# Altium PCB ASI_CAN_Conv.PcbDoc (continued)
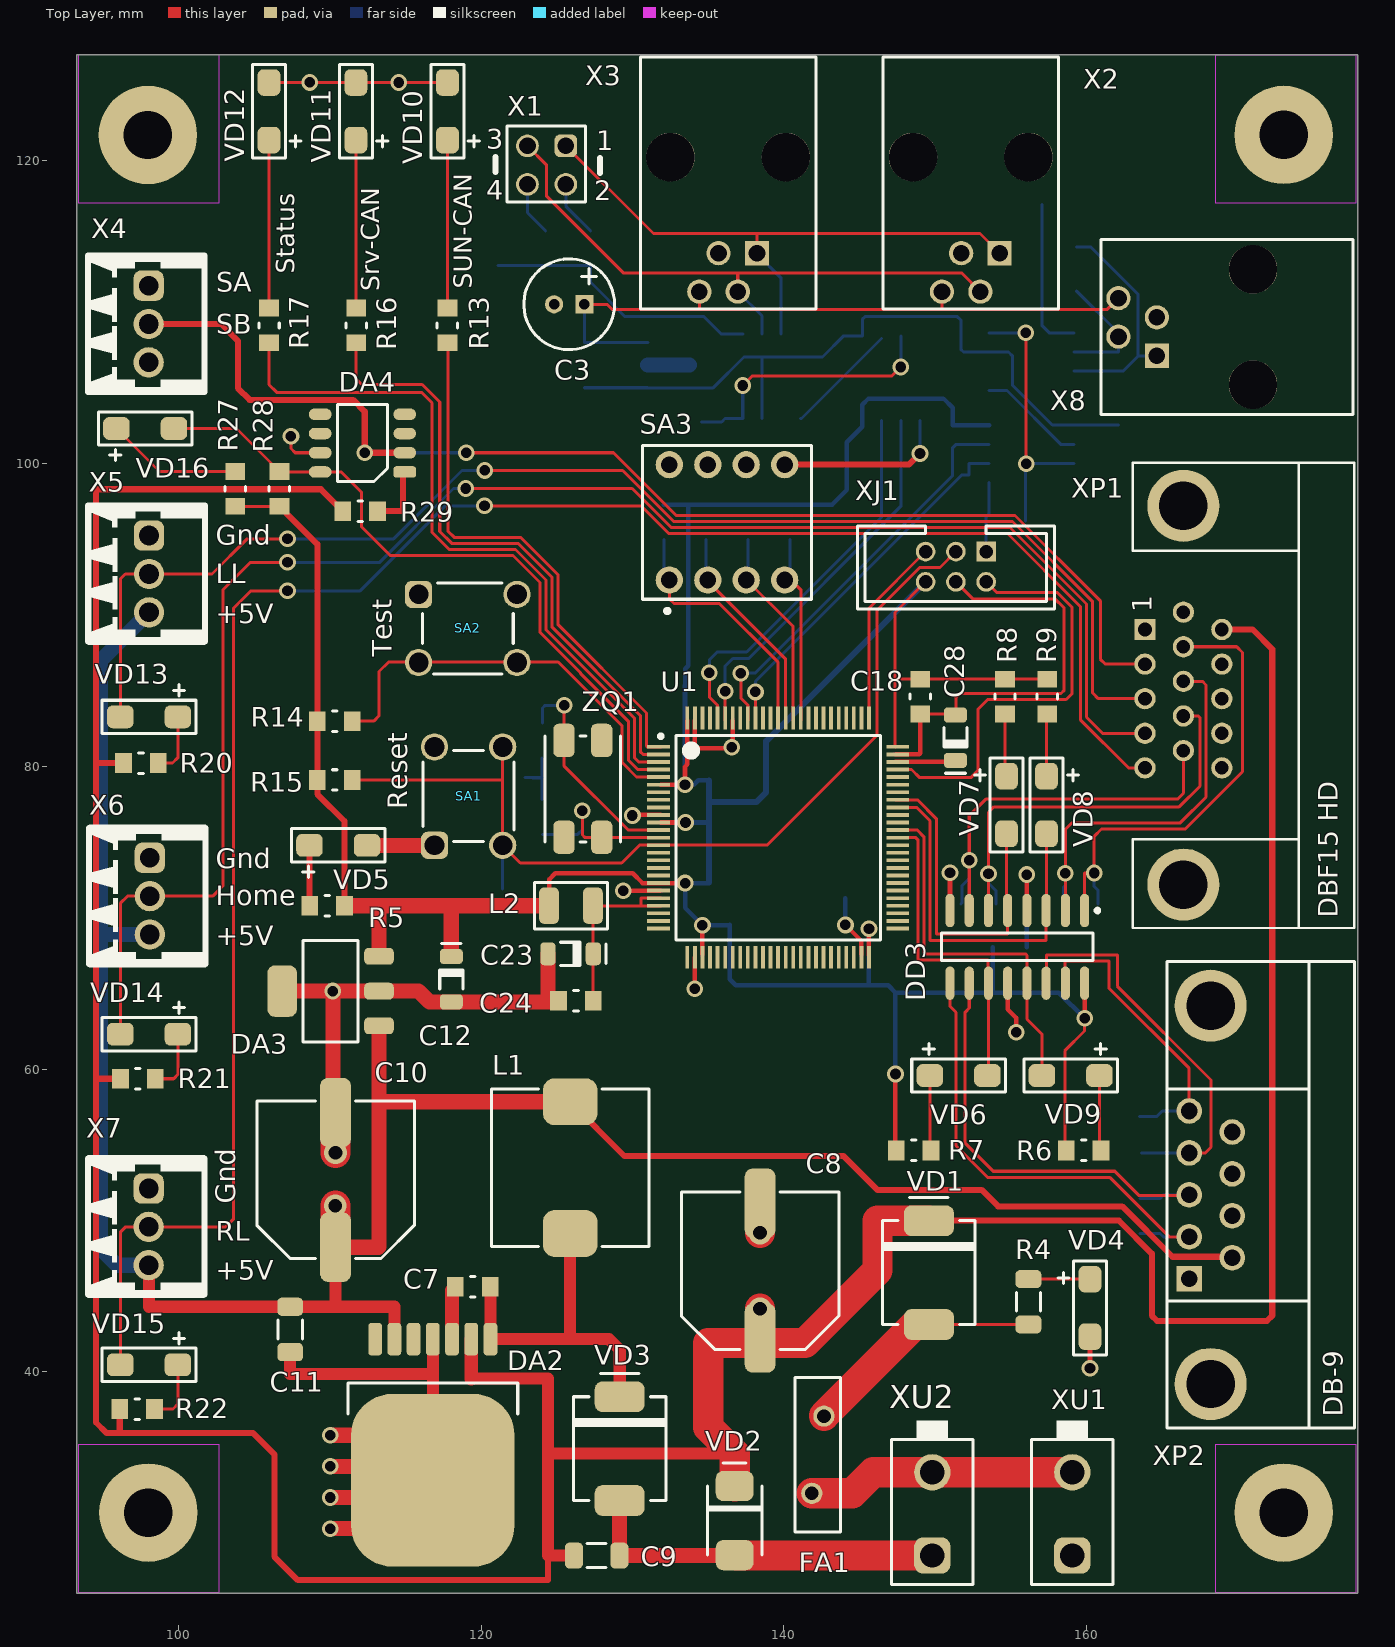
[diagram p0: Top Layer view]
## Footprints (in the part's own frame and the unit in brackets; to place one, negate y for a bottom-side part, rotate by r counter-clockwise, add the part's x,y. Pads: shape width x height; smd on the part's side, far side on the other; paste and mask are expansions set on the pad) (continued)
SMC [mil]
  rrect50% 80x130 smd: 1(-135,0) 2(135,0)
  silkscreen extent -195,-120 135,120, body extent -157,-116 156,116, height 91
SO16_N [mm] "SOIC, 16-Leads, Body 9.9x3.9mm, Pitch 1.27mm, IPC Medium Density"
  oval 2.2x0.6 smd: 1(-2.4,4.445) 2(-2.4,3.175) 3(-2.4,1.905) 4(-2.4,0.635) 5(-2.4,-0.635) 6(-2.4,-1.905) 7(-2.4,-3.175) 8(-2.4,-4.445) 9(2.4,-4.445) 10(2.4,-3.175) 11(2.4,-1.905) 12(2.4,-0.635) 13(2.4,0.635) 14(2.4,1.905) 15(2.4,3.175) 16(2.4,4.445)
  silkscreen extent -2.52,-5 0.9,5.42, body extent -3.07,-4.99 3.07,4.98, height 1.75
SO-8 [mm]
  rrect50% 0.76x1.5 smd: 1(-1.905,-2.794)
  oval 0.76x1.5 smd: 2(-0.635,-2.794) 3(0.635,-2.794) 4(1.905,-2.794) 5(1.905,2.794) 6(0.635,2.794) 7(-0.635,2.794) 8(-1.905,2.794)
  silkscreen extent -2.54,-1.65 2.54,1.65, body extent -2.5,-3.16 2.5,3.17, height 1.9
SOT-89 [mm]
  rrect50% 1x1.45 smd: 1(-1.5,-1.425) 2(0,-1.425) 3(1.5,-1.425)
  oct 2x3.2 smd: 2(0,1.325)
  silkscreen extent -2.25,-0.58 2.25,1.93, body extent -2.25,-1.62 2.25,2.68, height 1.51
SOT-223_2 [mm]
  rrect50% 1.1x1.95 smd: 1(-2.3,-3.2) 2(0,-3.2) 3(2.3,-3.2)
  rrect50% 3.4x1.95 smd: 2(0,3.2)
  silkscreen extent -3.35,-1.82 3.35,1.82, body extent -3.27,-3.67 3.23,3.26, height 1.67
STM-LQFP100_V [mm] "Thin QFP, 100-Leads, Body 14x14mm, Pitch 0.5mm, ST Recommended"
  rect 1.5x0.25 smd mask+0.075: 1(-7.9,6) 2(-7.9,5.5) 3(-7.9,5) 4(-7.9,4.5) 5(-7.9,4) 6(-7.9,3.5) 7(-7.9,3) 8(-7.9,2.5) 9(-7.9,2) 10(-7.9,1.5) 11(-7.9,1) 12(-7.9,0.5) 13(-7.9,0) 14(-7.9,-0.5) 15(-7.9,-1) 16(-7.9,-1.5) 17(-7.9,-2) 18(-7.9,-2.5) 19(-7.9,-3) 20(-7.9,-3.5) 21(-7.9,-4) 22(-7.9,-4.5) 23(-7.9,-5) 24(-7.9,-5.5) 25(-7.9,-6) 51(7.9,-6) 52(7.9,-5.5) 53(7.9,-5) 54(7.9,-4.5) 55(7.9,-4) 56(7.9,-3.5) 57(7.9,-3) 58(7.9,-2.5) 59(7.9,-2) 60(7.9,-1.5) 61(7.9,-1) 62(7.9,-0.5) 63(7.9,0) 64(7.9,0.5) 65(7.9,1) 66(7.9,1.5) 67(7.9,2) 68(7.9,2.5) 69(7.9,3) 70(7.9,3.5) 71(7.9,4) 72(7.9,4.5) 73(7.9,5) 74(7.9,5.5) 75(7.9,6)
  rect 0.25x1.5 smd mask+0.075: 26(-6,-7.9) 27(-5.5,-7.9) 28(-5,-7.9) 29(-4.5,-7.9) 30(-4,-7.9) 31(-3.5,-7.9) 32(-3,-7.9) 33(-2.5,-7.9) 34(-2,-7.9) 35(-1.5,-7.9) 36(-1,-7.9) 37(-0.5,-7.9) 38(0,-7.9) 39(0.5,-7.9) 40(1,-7.9) 41(1.5,-7.9) 42(2,-7.9) 43(2.5,-7.9) 44(3,-7.9) 45(3.5,-7.9) 46(4,-7.9) 47(4.5,-7.9) 48(5,-7.9) 49(5.5,-7.9) 50(6,-7.9) 76(6,7.9) 77(5.5,7.9) 78(5,7.9) 79(4.5,7.9) 80(4,7.9) 81(3.5,7.9) 82(3,7.9) 83(2.5,7.9) 84(2,7.9) 85(1.5,7.9) 86(1,7.9) 87(0.5,7.9) 88(0,7.9) 89(-0.5,7.9) 90(-1,7.9) 91(-1.5,7.9) 92(-2,7.9) 93(-2.5,7.9) 94(-3,7.9) 95(-3.5,7.9) 96(-4,7.9) 97(-4.5,7.9) 98(-5,7.9) 99(-5.5,7.9) 100(-6,7.9)
  silkscreen extent -7.87,-6.75 6.75,6.82, body extent -8,-8 8,8, height 1.6
"SWD 1-4" [mm] "DIP переключатель"
  round 1.8 hole 1.1: 1(-3.81,-3.81) 2(-3.81,3.81) 3(-1.27,-3.81) 4(-1.27,3.81) 5(1.27,-3.81) 6(1.27,3.81) 7(3.81,-3.81) 8(3.81,3.81)
  silkscreen extent -5.59,-5.98 5.59,5.08, body extent -5.13,-3.91 5.03,3.71, height 3.3
SWT-2 [mm] "Кнопка тактовая"
  rrect50% 1.8x1.8 hole 1.3: 1(-3.25,2.25)
  round 1.8 hole 1.3: 2(-3.25,-2.25) 3(3.25,2.25) 4(3.25,-2.25)
  silkscreen extent -3,-3 3,3, body extent -3.87,-2.95 3.97,3.05, height 5.4
TJ3-4P4C [mm] "Гнездо на плату, прямое"
  round 3.2 hole 3.2 unplated: 0(-6.35,1.905) 0(-6.35,-5.715)
  rect 1.6x1.6 hole 1.1: 1(0,0)
  round 1.6 hole 1.1: 2(2.54,-1.27) 3(0,-2.54) 4(2.54,-3.81)
  silkscreen extent -12.95,-7.7 3.7,3.89, body extent -12.85,-8.89 3.03,5.08, height 16.38
"Virtual Jumper" [mm] "Virtual Jumper"
  rect 0.3x0.3 smd paste+0 mask+0: 1(0.25,-0.3) 2(0.875,-0.3)
  Top Layer lines w0.254: 0.25,-0.3 0.875,-0.3

## Part data
C1 C2 C4 C6 C7 C13 C14 C15 C16 C18 C19 C20 C21 C22 C24 C25 C26: library part CC0805, "Конденсатор"
C3: library part CAP_RADIAL, "Выводные электролитические конденсаторы"
C5 C12 C17 C23 C27 C28: library part TANTAL_A
C8 C10: library part EZV-F, "Конденсатор электролитический"
C9 C11: library part CC1206
DA1: library part L78L05ACU, "Линейный стабилизатор напряжения"
DA2: library part LM2676S, "понижающи регулятор 3 А"
DA3: library part MC33275ST, "Линейный стабилизатор напряжения"
DA4: "Оптопара 2 канала"
DD1 DD4: library part PCA82C250T, "Интерфейс физического уровня CAN"
DD2 DD5: library part ADUM1201, "Изолятор цифрового сигнала"
DD3: library part AM26LV32CDR, "=ComponentName"
FA1: library part RUE-185, "Предохранитель 3,7 А 30 В"
L1: library part B82464g4, "Силовой дроссель"
L2: library part CM322522
R1 R2 R3 R5 R6 R7 R8 R9 R10 R11 R12 R13 R14 R15 R16 R17 R18 R19 R20 R21 R22 R23 R24 R25 R26 R27 R28 R29 R30 R31 R32: library part RC0805JR, "Резистор общего назначения 5%"
R4: library part RC1206JR, "Резистор общего назначения 5%"
SA3: "DIP переключатель"
U1: "=ComponentName"
VD1 VD3: library part 30BQ60, "Диод Шотки 60 В 3 А"
VD2: library part 1SMB36, "Диод защитный 600 Вт 36 В"
VD4 VD5 VD6 VD7 VD8 VD9 VD10 VD11 VD12 VD13 VD14 VD15 VD16: library part KP-3216, "Светодиод"
VJ1: library part Virt_Jumper
X1: "Разъем, вилка на плату двухрядная, шаг 2.54мм"
X2 X3 X8: "Разъем, гнездо на плату, прямой"
X4 X5 X6 X7: "Клеммник разъемный прямой"
XJ1: "Вилка на плату, шаг 2.0мм"
XP1: "Connector DBF-15HD"
XP2: "Connector DB-9"
XU1 XU2: "Разъем, Mini-Fit"
ZQ1: library part KX-13, "Резонатор кварцевый"

## Free pads (board coordinates)
  round 6.5 hole 3.2: 0(97.994,121.699) 0(98.019,30.701) 0(173.021,121.706) 0(173.022,30.701)

## Via types
v1: diameter 1.1, hole 0.7, Top Layer to Bottom Layer, 47 vias
v2: diameter 1.5, hole 0.9, Top Layer to Bottom Layer, 4 vias

## Nets (pads, with @x,y where several pads share a name; then routed paths per layer and width w, separated by ;. In a path a pad name is that pad's centre, name@x,y a point inside that pad or via, vN(x,y) a via of type N, cw(c..) or ccw(c..) an arc to the next point about the centre after c; other vN are vias at no path point)
+3.3V: C12.1 C13.1 C17.1 C18.1 C19.1 C20.1 C21.1 C22.1 DA3.3 DD2.8 DD3.16 DD5.8 L2.1 R3.2 R5.2 R6.1 R7.2 R8.1 R9.1 R10.2 R14.2 R15.2 R23.2 R24.2 R25.2 R26.2 R27.1 R28.2 R32.2 U1.6 U1.11 U1.19 U1.28 U1.50 U1.75 U1.100 XJ1.6 | length 238
  Top Layer w0.2: R27.1 R28.2 ; 147.364,85.757 C18.1 R8.1 R9.1 ; U1.75@147.374,81.286 147.345,81.314 147.345,90.163 XJ1.6 ; R6.1@158.565,54.625 158.565,61.207 159.868,62.509 v1(159.868,63.348)
  Top Layer w0.3: L2.1@124.49,70.799 124.5,70.799 124.5,72.525 124.898,72.923 130.027,72.923 130.664,72.286 v1@133.525,72.286 ; U1.11@131.874,76.286 v1(133.502,76.286) ; U1.6@131.874,78.786 v1(133.472,78.786) 133.472,79.979 133.624,80.131 U1.100@133.624,83.036 ; U1.28@134.624,67.536 v1(134.624,69.498) ; U1.50@145.624,67.536 v1(145.624,69.26) ; R7.2@147.375,54.625 v1(147.375,59.675) ; v1(159.868,63.348) DD3.16
  Top Layer w0.4: R28.2 109.188,94.666 R14.2 R15.2 109.188,78.163 110.98,76.371 R5.2
  Top Layer w1: R5.2 124.481,70.79 L2.1@124.49,70.799 ; DA3.3 113.258,70.688 ; C12.1 118.034,70.764
  Bottom Layer w0.3: R26.2 R25.2 R24.2 R23.2 143.198,97.289 144.163,98.254 R3.2 144.163,101.415 145.186,102.438 DD2.8 145.186,103.886 145.593,104.292 150.546,104.292 151.155,103.683 R32.2@151.155,102.591 ; C17.1@133.472,85.366 v1(133.472,78.786) 134.056,78.786 134.341,79.07 C22.1 ; C17.1 133.478,86.438 133.686,86.645 133.686,97.269 ; v1(133.502,76.286) C21.1@135.003,76.286 ; C20.1@134.991,72.286 v1(133.475,72.286) 133.475,70.647 v1(134.624,69.498) C19.1@136.395,69.498 ; C19.1 136.416,65.934 136.825,65.525 C13.1@145.624,65.525 ; v1(145.624,69.26) C13.1@145.624,65.525 ; v1(147.375,59.675) 147.375,65.05 ; R32.2@151.162,102.54 DD5.8 ; R10.2 153.8,65.05 ; v1(159.868,63.348) 158.165,65.05 153.8,65.05 ; C13.1@145.624,65.525 C13.1 146.9,65.525 147.375,65.05 ; 147.375,65.05 153.8,65.05
  Bottom Layer w0.4: C20.1@135.045,72.339 135.045,77.648 ; C22.1 135.045,77.648 ; XJ1.6 138.836,81.654 138.836,78.283 138.201,77.648 135.045,77.648
+5V: C10.1 C11.1 DA2.6 DA3.1 L1.2 X5.3 X6.3 X7.3 XP2.6 | length 155.7
  Top Layer w0.4: L1.2 129.475,54.25 143.95,54.25 146.175,52.025 153.062,52.025 154.162,50.925 162.35,50.925 165.675,47.6 169.404,47.6 XP2.6@169.478,47.674
  Top Layer w0.8: X7.3@98.019,47.041 98.069,46.99 98.069,44.299 114.275,44.299 DA2.6 ; 110.388,44.348 C10.1
  Top Layer w1: C10.1 113.228,48.23 ; 113.258,48.26 DA3.1 ; 113.392,57.842 L1.2
  Top Layer w2: C10.1 v2@110.388,50.965
  Bottom Layer w1: 94.945,68.885 X6.3 ; X7.3 95.961,47.041 94.869,48.133 94.869,86.97 X5.3
  other v2: 110.363,50.965
+5V_CAN: C5.1 C6.1 DA1.1 DD1.3 DD2.1 DD4.3 DD5.1 | length 47.1
  Bottom Layer w0.2: C6.1 DA1.1@131.009,105.004 ; DA1.1@131.035,104.978 DA1.1 135.33,105.002 137.363,107.036 142.559,107.036 143.956,108.433 DD2.1 145.186,109.525 145.364,109.703 151.46,109.703 151.689,109.474 151.689,107.544 151.867,107.366 DD4.3@153.507,107.366 ; DD1.3 138.557,107.01 ; DD4.3 154.838,107.366 155.118,107.086 155.118,105.156 157.734,102.54 DD5.1 C5.1@162.1,102.54
+12V_CAN: C3.1 C4.1 DA1.3 X2.4 X3.4 X8.4 | length 44.7
  Top Layer w0.2: C3.1 128.321,110.515 128.651,110.185 161.366,110.185 X8.4 ; 134.417,110.211 X3.4 ; 150.444,110.211 X2.4
  Bottom Layer w0.2: C3.1 126.822,108.008 126.828,108.002 DA1.3
+24V_SAFE: C8.1 C9.1 DA2.2 R20.2 R21.2 R22.2 R29.2 VD1.1 VD2.1 XP1.11 | length 264.3
  Top Layer w0.4: 94.564,80.213 R20.2@96.335,80.213 ; 94.59,59.36 R21.2 ; 96.132,36.036 R22.2 ; R29.2 109.416,98.298 94.564,98.298 94.564,36.652 95.25,35.966 104.927,35.966 106.35,34.544 106.35,27.788 107.899,26.238 124.409,26.238 124.409,27.864 ; VD1.1 162.138,49.987 164.313,47.812 164.313,43.713 164.668,43.358 171.907,43.358 172.263,43.713 172.263,87.732 170.956,89.038 XP1.11
  Top Layer w0.8: 119.355,39.548 124.409,39.548 ; 124.409,39.522 124.409,27.864 C9.1 ; 124.511,34.595 136.754,34.595
  Top Layer w0.9: 119.355,39.548 DA2.2
  Top Layer w2: VD2.1@136.754,32.436 136.754,34.595 135.001,36.347 135.001,41.91 141.402,41.91 146.182,46.69 146.182,49.987 VD1.1 ; C8.1 v2(138.43,44.174)
GND: C8.2 C9.2 C10.2 C11.2 C12.2 C13.2 C16.2 C17.2 C18.2 C19.2 C20.2 C21.2 C22.2 C23.2 C24.2 C27.2 C28.2 DA2.4 DA3.2 DA4.7 DD2.5 DD3.8 DD3.12 DD5.5 SA1.1 SA1.3 SA2.1 SA2.3 SA3.2 SA3.4 SA3.6 SA3.8 U1.10 U1.20 U1.27 U1.74 U1.94 U1.99 VD2.2 VD3.2 VD4.2 VD5.2 VD10.2 VD11.2 VD12.2 VJ1.1 X4.1 X5.1 X6.1 X7.1 XJ1.1 XJ1.4 XP1.1 XP1.16 XP1.17 XP2.1 XP2.10 XP2.11 XU1.1 XU2.1 | length 181.7
  Top Layer w0.2: VD12.2 VD10.2 ; v1(107.442,101.803) 107.442,100.99 107.721,100.711 DA4.7 ; C18.2 151.359,83.457 151.359,84.531 151.632,84.804 158.312,84.804 158.521,85.014 158.521,90.449 157.905,91.065 152.483,91.065 XJ1.4
  Top Layer w0.3: v1(129.386,71.786) U1.20@131.874,71.786 ; v1@130.351,76.786 U1.10@131.874,76.786 ; v1(134.125,65.3) U1.27 ; U1.99@134.124,83.036 134.124,81.344 134.264,81.204 136.55,81.204 136.624,81.277 U1.94@136.624,83.036 ; U1.74@147.374,80.786 148.934,80.786 149.022,80.874 C18.2 ; DD3.8 v1(150.978,72.974) ; DD3.12 154.788,63.937 155.35,63.375 v1(155.35,62.425) ; v1(160.223,40.234) VD4.2
  Top Layer w0.4: SA3.8 148.26,99.924 v1(148.996,100.66)
  Top Layer w0.8: C11.2 107.391,39.853 116.815,39.853 ; DA2.4@116.815,32.838 116.815,39.853 ; DA2.4@116.815,42.158 116.815,39.853
  Top Layer w1: DA3.2@106.858,65.151 v1(110.211,65.151) ; v1(110.033,29.642) DA2.4@113.618,29.642 ; v1(110.033,31.699) DA2.4@115.675,31.699 ; v1(110.033,33.757) DA2.4@115.896,33.757 ; v1(110.033,35.814) DA2.4@113.839,35.814 ; C10.2@110.211,57.307 v1(110.211,65.151) ; VD5.2 SA1.1 ; 124.415,64.488 C23.2 ; C24.2@125.121,64.438 C12.2 116.587,64.438 115.875,65.151 113.258,65.151 v1(110.211,65.151) ; VD3.2@129.135,31.472 C9.2 VD2.2@136.881,27.864
  Top Layer w2: v2(110.388,54.465) C10.2 ; VD2.2@136.881,27.864 XU2.1 ; v2(138.43,49.174) C8.2
  Bottom Layer w0.2: 122.911,79.243 VJ1.1 ; v1(148.996,100.66) DD2.5 ; XJ1.1 153.365,96.469 153.568,96.672 DD5.5
  other v1: 130,76.75 136.55,81.255 108.687,125.171 114.554,125.166
GND_CAN: C1.2 C2.2 C3.2 C4.2 C5.2 C6.2 C25.2 C26.2 DA1.2 DD1.2 DD1.8 DD2.4 DD4.2 DD4.8 DD5.4 X2.3 X3.3 X8.3 | length 2.8
  Bottom Layer w1: DA1.2@131.011,106.502 DA1.2@133.761,106.502
GND_QZ: C14.1 C15.1 VJ1.2 | length 2.7
  Bottom Layer w0.2: C15.1@124.04,77.821 VJ1.2 C14.1@124.04,80.548
NetC1_1: C1.1 DD1.5 R1.2 R2.2 | length 18.7
  Bottom Layer w0.2: C1.1 R1.2@127.215,113.088 ; R1.2 127.229,111.989 129.515,109.703 134.722,109.703 135.865,108.56 DD1.5
NetC2_1: C2.1 DD1.4 DD2.3 | length 18
  Top Layer w0.2: v1(137.287,105.156) 137.897,105.766 147.117,105.766 v1(147.726,106.375)
  Bottom Layer w0.2: C2.1 135.89,102.743 136.119,102.972 DD1.4 v1(137.287,105.156) ; v1(147.726,106.375) DD2.3
NetC7_1: C7.1 DA2.3 | length 3.2
  Top Layer w0.9: DA2.3 C7.1@118.085,45.397
NetC7_2: C7.2 DA2.1 L1.1 VD3.1 | length 22.3
  Top Layer w0.8: C7.2@120.625,45.6 DA2.1 128.453,42.158 129.159,41.453 VD3.1 ; 125.882,42.24 L1.1
NetC14_2: C14.2 U1.12 ZQ1.1 | length 14.6
  Top Layer w0.2: v1@125.471,83.992 ZQ1.1 125.471,80.041 129.718,75.794 U1.12@131.866,75.794
  Bottom Layer w0.2: C14.2 124.054,83.845 124.231,84.023 v1(125.501,84.023)
NetC15_2: C15.2 U1.13 ZQ1.3 | length 10.8
  Top Layer w0.2: v1(126.695,77.064) 126.695,75.463 126.847,75.311 127.971,75.286 U1.13@131.848,75.286
  Bottom Layer w0.2: C15.2 126.382,75.507 126.696,75.821 v1@126.696,76.9 ; v1@126.626,76.994 v1@126.721,76.9
NetC23_1: C23.1 C24.1 L2.2 U1.21 U1.22 | length 12.1
  Top Layer w0.2: C24.1@127.39,65.003 L2.2 ; L2.2@127.39,70.786 U1.22@131.874,70.786 ; 130.575,70.786 130.575,71.286 U1.21@131.874,71.286
NetC25_1: C25.1 DD4.5 R30.2 R31.2 | length 10.3
  Bottom Layer w0.2: C25.1@157.041,117.094 157.041,109.125 157.531,108.636 DD4.5
NetC26_1: C26.1 DD4.4 DD5.3 | length 18
  Top Layer w0.2: v1@155.981,100 v1(155.981,108.636)
  Bottom Layer w0.2: DD4.4 v1(155.981,108.636) ; C26.1 155.974,100 DD5.3
  other v1: 156.007,99.974
NetC27_1: C27.1 U1.49 | length 4.2
  Top Layer w0.25: v1(144.069,69.52) 145.124,68.465
  Top Layer w0.3: U1.49@145.124,67.536 145.124,68.465
  Bottom Layer w0.3: v1(144.069,69.52) C27.1@144.069,71.296
NetC28_1: C28.1 U1.73 | length 4
  Top Layer w0.3: U1.73@147.374,80.286 C28.1@151.333,80.286
NetDA4_1: DA4.1 R29.1 | length 4.1
  Top Layer w0.4: R29.1 114.833,96.85 DA4.1@114.833,99.313
NetDA4_2: DA4.2 X4.2 XP1.2 | length 83.4
  Top Layer w0.2: v1(119.024,100.711) 128.753,100.711 132.893,96.571 155.265,96.571 160.909,90.927 160.909,87.071 161.228,86.752 XP1.2
  Top Layer w0.4: X4.2 102.824,109.215 103.937,108.102 103.937,104.978 104.716,104.199 111.549,104.199 112.319,103.429 v1(112.319,100.711) DA4.2
  Bottom Layer w0.2: v1(112.319,100.711) v1(119.024,100.711)
NetDA4_8: DA4.8 R28.1 U1.4 VD16.2 | length 46.3
  Top Layer w0.2: VD16.2 103.842,102.311 R28.1 106.712,99.441 DA4.8 110.769,99.441 112.09,98.12 112.09,95.834 114.001,93.923 122.109,93.923 123.895,92.137 123.895,88.844 126.579,86.16 126.579,86.12 129.724,82.975 129.724,80.41 130.349,79.786 U1.4@131.874,79.786
NetDD1_1: DD1.1 DD2.2 | length 7.5
  Bottom Layer w0.2: DD1.1 141.168,102.972 DD2.2@146.456,108.26
NetDD1_6: DD1.6 X1.3 X2.2 X3.2 | length 41.1
  Top Layer w0.2: X1.3 124.308,119.736 124.308,117.678 129.388,112.598 151.74,112.598 X2.2 ; X3.2@136.373,111.303 137.008,111.303 X3.2 136.957,112.573
  Bottom Layer w0.2: X3.2@136.373,111.303 137.008,111.303 138.557,109.753 DD1.6
NetDD1_7: DD1.7 X1.1 X2.1 X3.1 | length 38.8
  Top Layer w0.2: X1.1 131.394,115.189 138.227,115.189 ; X3.1 138.227,115.189 ; X2.1 152.959,115.189 138.227,115.189
  Bottom Layer w0.2: X3.1@138.227,113.843 139.827,112.243 DD1.7
NetDD2_6: DD2.6 U1.95 | length 25.2
  Top Layer w0.2: U1.95@136.124,83.036 v1(136.124,84.958)
  Bottom Layer w0.2: v1(136.124,84.958) 136.124,86.619 136.63,87.125 137.683,87.125 147.726,97.169 DD2.6
NetDD2_7: DD2.7 R3.1 U1.96 | length 26
  Top Layer w0.2: v1(135.077,86.18) 135.077,84.582 135.624,84.035 U1.96@135.624,83.036
  Bottom Layer w0.2: v1@135.077,86.03 135.077,87.027 135.6,87.55 137.542,87.55 146.463,96.471 R3.1 ; R3.1@146.456,100.413 DD2.7
NetDD3_1: DD3.1 R11.2 XP1.7 | length 31.2
  Top Layer w0.2: DD3.1 159.868,72.949 v1(160.503,72.949) 160.503,75.387 160.979,75.864 166.516,75.864 170.293,79.64 170.293,87.517 169.915,87.895 XP1.7
  Bottom Layer w0.2: v1(160.503,72.949) 160.503,72.06 160.764,71.799 R11.2
NetDD3_2: DD3.2 R11.1 XP1.8 | length 26.6
  Top Layer w0.2: DD3.2 v1(158.598,72.923) 158.598,75.819 159.042,76.264 166.189,76.264 167.888,77.963 167.888,85.376 167.654,85.609 XP1.8
  Bottom Layer w0.2: R11.1 158.464,71.977 158.598,72.111 v1(158.598,72.923)
NetDD3_3: DD3.3 U1.67 VD8.2 | length 25.1
  Top Layer w0.2: U1.67@147.38,77.292 148.758,77.292 149.65,76.4 149.65,68.478 157.328,68.478 DD3.3 ; DD3.3@157.353,70.675 VD8.2@157.353,75.57
NetDD3_4: DD3.4 R10.1 | length 7.2
  Top Layer w0.3: DD3.4 v1(156.058,72.847)
  Bottom Layer w0.3: R10.1@156.058,68.05 v1(156.058,72.847)
NetDD3_5: DD3.5 U1.68 VD7.2 | length 22.1
  Top Layer w0.2: U1.68@147.374,77.786 148.83,77.786 150.075,76.541 150.075,68.91 154.788,68.91 DD3.5 ; DD3.5@154.711,70.548 VD7.2
NetDD3_6: DD3.6 R12.2 XP1.9 | length 29
  Top Layer w0.2: DD3.6 v1(153.518,72.898) 153.518,76.962 153.873,77.318 166.118,77.318 167.488,78.688 167.488,83.21 167.375,83.323 XP1.9
  Bottom Layer w0.2: v1(153.518,72.898) 153.518,72.288 154.007,71.799 R12.2
NetDD3_7: DD3.7 R12.1 XP1.10 | length 26.9
  Top Layer w0.2: DD3.7 v1(152.248,73.787) 152.248,76.733 153.34,77.826 166.001,77.826 166.395,78.22 XP1.10@166.395,81.014
  Bottom Layer w0.2: R12.1 151.778,70.987 151.778,72.123 152.248,72.593 v1(152.248,73.787)
NetDD3_9: DD3.9 R18.1 XP2.2 | length 32.1
  Top Layer w0.2: DD3.9 150.978,64.147 151.375,63.75 151.375,54.925 153.45,52.85 161.525,52.85 165.456,48.919 XP2.2
  Bottom Layer w0.2: R18.1 164.853,49.142 165.076,48.919 XP2.2
NetDD3_10: DD3.10 R18.2 XP2.3 | length 30.3
  Top Layer w0.2: DD3.10 152.248,64.033 151.975,63.761 151.975,55.1 153.825,53.25 161.863,53.25 163.474,51.638 166.728,51.638 XP2.3
  Bottom Layer w0.2: R18.2 164.828,51.442 165.075,51.689 XP2.3
NetDD3_11: DD3.11 U1.63 VD6.2 | length 21.8
  Top Layer w0.2: U1.63@147.374,75.286 148.714,75.286 148.85,75.15 148.85,67.208 153.492,67.208 153.492,65.697 DD3.11 VD6.2@153.518,59.55
NetDD3_13: DD3.13 U1.64 VD9.2 | length 25
  Top Layer w0.2: U1.64@147.374,75.786 148.814,75.786 149.25,75.35 149.25,67.615 155.956,67.615 156.058,67.513 DD3.13 156.058,63.297 157.053,62.301 VD9.2@157.053,59.55
NetDD3_14: DD3.14 R19.2 XP2.4 | length 26.5
  Top Layer w0.2: DD3.14 157.353,65.697 157.353,67.532 162.027,67.532 162.027,65.473 168.224,59.276 168.224,54.839 167.845,54.459 XP2.4@166.887,54.459
  Bottom Layer w0.2: R19.2@163.618,54.459 XP2.4
NetDD3_15: DD3.15 R19.1 XP2.5 | length 19.9
  Top Layer w0.2: DD3.15 158.572,65.647 158.572,67.132 161.468,67.132 161.468,65.357 166.776,60.049 XP2.5@166.776,57.227
  Bottom Layer w0.2: R19.1 164.65,56.878 165.001,57.229 XP2.5
NetDD4_1: DD4.1 DD5.2 | length 7.1
  Bottom Layer w0.2: DD4.1 154.737,104.826 158.293,101.27 DD5.2
NetDD4_6: DD4.6 R31.1 X8.2 | length 8.1
  Bottom Layer w0.2: DD4.6 162.103,107.366 X8.2 162.103,108.617 R31.1
NetDD4_7: DD4.7 R30.1 X8.1 | length 15.3
  Bottom Layer w0.2: DD4.7 162.408,106.096 163.424,107.112 X8.1 ; R30.1 160.28,114.3 163.398,111.182 163.398,107.112
NetDD5_6: DD5.6 U1.91 | length 24.4
  Top Layer w0.2: U1.91@138.124,83.036 v1(138.124,84.911)
  Bottom Layer w0.2: v1(138.124,84.911) 138.124,85.615 151.746,99.238 152.222,99.238 152.222,100 DD5.6
NetDD5_7: DD5.7 R32.1 U1.92 | length 27.1
  Top Layer w0.2: v1(137.16,86.154) 137.16,84.515 137.624,84.051 U1.92@137.624,83.036
  Bottom Layer w0.2: v1@137.16,85.979 137.335,86.154 138.097,86.154 151.155,99.212 R32.1 151.155,101.041 151.384,101.27 DD5.7
NetFA1_1: FA1.1 XU1.2 XU2.2 | length 17.9
  Top Layer w2: FA1.1 144.525,31.975 145.914,33.364 XU2.2 159.106,33.364 XU1.2@159.08,33.389
NetFA1_2: FA1.2 R4.2 VD1.2 | length 16
  Top Layer w0.2: VD1.2 R4.2@156.158,43.129
  Top Layer w2: FA1.2 142.65,37.1 148.679,43.129 VD1.2
NetR1_1: R1.1 X1.2 | length 3.7
  Bottom Layer w0.2: X1.2 125.603,116.999 R1.1
NetR2_1: R2.1 X1.4 | length 3.6
  Bottom Layer w0.2: X1.4 123.063,116.568 R2.1
NetR4_1: R4.1 VD4.1 | length 4.1
  Top Layer w0.2: R4.1@156.166,46.121 VD4.1
NetR5_1: R5.1 VD5.1 | length 4
  Top Layer w0.4: R5.1 VD5.1@108.68,74.764
NetR6_2: R6.2 VD9.1 | length 4.9
  Top Layer w0.2: R6.2@160.865,54.625 VD9.1@160.865,59.55
NetR7_1: R7.1 VD6.1 | length 4.9
  Top Layer w0.2: R7.1@149.65,54.625 VD6.1
NetR8_2: R8.2 VD7.1 | length 4
  Top Layer w0.2: VD7.1@154.61,79.446 R8.2
NetR9_2: R9.2 VD8.1 | length 4.1
  Top Layer w0.2: VD8.1 R9.2@157.353,83.407
NetR13_1: R13.1 U1.1 | length 35.5
  Top Layer w0.2: R13.1@117.564,107.752 117.805,107.511 117.805,95.543 118.225,95.123 122.606,95.123 125.095,92.634 125.095,89.346 130.924,83.516 130.924,81.331 130.969,81.286 U1.1@131.874,81.286
NetR13_2: R13.2 VD10.1 | length 11.1
  Top Layer w0.2: R13.2 VD10.1
NetR14_1: R14.1 SA2.2 SA2.4 U1.5 | length 28.3
  Top Layer w0.2: R14.1 112.903,82.982 113.259,83.337 113.259,86.258 113.894,86.893 125.095,86.893 129.324,82.664 129.324,80.244 130.27,79.299 ; 130.27,79.286 U1.5@131.874,79.286
NetR16_1: R16.1 VD11.1 | length 11.1
  Top Layer w0.2: R16.1@111.735,110.294 VD11.1
NetR16_2: R16.2 U1.2 | length 41.1
  Top Layer w0.2: R16.2@111.735,107.968 111.735,105.613 112.122,105.226 116.11,105.226 117.272,104.064 117.272,95.511 118.06,94.723 122.44,94.723 124.695,92.468 124.695,89.18 130.524,83.351 130.524,80.956 130.695,80.786 U1.2@131.874,80.786
NetR17_1: R17.1 VD12.1 | length 11.1
  Top Layer w0.2: R17.1 VD12.1
NetR17_2: R17.2 U1.3 | length 47.4
  Top Layer w0.2: R17.2 105.994,105.207 106.502,104.699 116.071,104.699 116.764,104.006 116.764,95.453 117.894,94.323 122.274,94.323 124.295,92.302 124.295,89.014 130.124,83.185 130.124,80.576 130.414,80.286 U1.3@131.874,80.286
NetR20_1: R20.1 VD13.1 | length 4.2
  Top Layer w0.2: R20.1@98.635,80.213 99.619,80.213 99.969,80.564 VD13.1
NetR21_1: R21.1 VD14.1 | length 4.3
  Top Layer w0.2: R21.1 99.695,59.36 99.969,59.634 VD14.1
NetR22_1: R22.1 VD15.1 | length 4.3
  Top Layer w0.2: R22.1 99.644,37.541 99.969,37.866 VD15.1
NetR23_1: R23.1 SA3.7 U1.85 | length 12.3
  Top Layer w0.2: SA3.7 140.487,92.304 141.124,91.667 U1.85@141.124,83.036
  Bottom Layer w0.2: SA3.7@140.411,92.659 R23.1
NetR24_1: R24.1 SA3.5 U1.86 | length 13.1
  Top Layer w0.2: SA3.5 137.541,92.304 140.614,89.23 U1.86@140.614,83.036
  Bottom Layer w0.2: SA3.5@137.643,92.431 R24.1
NetR25_1: R25.1 SA3.3 U1.87 | length 14
  Top Layer w0.2: SA3.3 134.976,92.227 140.124,87.079 U1.87@140.124,83.036
  Bottom Layer w0.2: SA3.3@134.874,92.405 R25.1
NetR26_1: R26.1 SA3.1 U1.88 | length 16.3
  Top Layer w0.2: SA3.1 132.436,91.059 132.74,90.754 135.736,90.754 139.624,86.866 U1.88@139.624,83.036
  Bottom Layer w0.2: SA3.1@132.08,92.659 R26.1
NetR27_2: R27.2 VD16.1 | length 9
  Top Layer w0.2: VD16.1 98.753,99.473 R27.2
NetVD13_2: VD13.2 X5.2 XP1.3 | length 89.5
  Top Layer w0.2: VD13.2 96.169,92.369 96.505,92.705 X5.2 102.23,92.705 104.546,95.021 v1(107.213,95.021) ; v1(120.25,99.543) 129.355,99.543 132.727,96.171 155.1,96.171 160.401,90.87 160.401,84.836 160.771,84.466 XP1.3
  Bottom Layer w0.2: v1(107.213,95.021) 114.224,95.021 118.745,99.543 v1(120.25,99.543)
NetVD14_2: VD14.2 X6.2 XP1.4 | length 110.2
  Top Layer w0.2: VD14.2 96.169,70.944 96.645,71.42 X6.2 102.27,71.42 102.946,72.096 102.946,91.643 104.775,93.472 v1(107.213,93.472) ; v1(118.999,98.349) 129.983,98.349 132.561,95.771 154.934,95.771 159.988,90.717 159.988,83.242 161.05,82.18 XP1.4
  Bottom Layer w0.2: v1(107.213,93.472) 113.309,93.472 118.186,98.349 v1(118.999,98.349)
NetVD15_2: VD15.2 X7.2 XP1.5 | length 131.6
  Top Layer w0.2: VD15.2 96.169,49.219 96.525,49.575 103.125,49.575 103.657,50.107 103.657,90.449 104.8,91.592 v1(107.213,91.592) ; v1(120.225,97.206) 130.561,97.206 132.396,95.371 154.768,95.371 159.588,90.551 159.588,83.077 162.771,79.894 XP1.5 XP1.5@163.714,79.894
  Bottom Layer w0.2: v1(107.213,91.592) 112.014,91.592 117.627,97.206 v1(120.225,97.206)
NRST: C16.1 R15.1 SA1.2 SA1.4 U1.14 XJ1.3 | length 63.1
  Top Layer w0.2: R15.1 121.427,79.096 ; SA1.4 121.427,79.096 ; U1.14@131.856,74.803 130.48,74.803 129.286,73.609 122.596,73.609 SA1.2 121.427,79.096 ; U1.14@131.874,74.786 138.895,74.786 146.152,82.042 146.152,90.313 148.972,93.133 150.315,93.133 XJ1.3
  Bottom Layer w0.2: C16.1@121.427,71.9 SA1.2
TCK: U1.76 XJ1.5 | length 12.7
  Top Layer w0.2: U1.76@145.624,83.036 145.624,90.442 XJ1.5
TMS: U1.72 XJ1.2 | length 28.6
  Top Layer w0.2: U1.72@147.374,79.786 148.433,79.786 148.971,79.248 152.349,79.248 152.832,79.731 152.832,83.769 153.467,84.404 158.648,84.404 159.029,84.785 159.029,90.507 158.071,91.465 154.083,91.465 XJ1.2
pads on no net: DA2.5 DA2.7 DA4.3 DA4.4 DA4.5 DA4.6 U1.7 U1.8 U1.9 U1.15 U1.16 U1.17 U1.18 U1.23 U1.24 U1.25 U1.26 U1.29 U1.30 U1.31 U1.32 U1.33 U1.34 U1.35 U1.36 U1.37 U1.38 U1.39 U1.40 U1.41 U1.42 U1.43 U1.44 U1.45 U1.46 U1.47 U1.48 U1.51 U1.52 U1.53 U1.54 U1.55 U1.56 U1.57 U1.58 U1.59 U1.60 U1.61 U1.62 U1.65 U1.66 U1.69 U1.70 U1.71 U1.77 U1.78 U1.79 U1.80 U1.81 U1.82 U1.83 U1.84 U1.89 U1.90 U1.93 U1.97 U1.98 X2.0 X3.0 X4.3 X8.0 XP1.6 XP1.12 XP1.13 XP1.14 XP1.15 XP2.7 XP2.8 XP2.9 ZQ1.2 ZQ1.4

## Polygon pours and split planes (outlines as drawn)
GND on Bottom Layer "Bottom Layer-No Net" (hatched 90Degree grid 0.2 track 0.203, pour order 2): 93.875,126.25 93.875,26 177.25,26 177.25,100 164,100 164,95 142,95 142,101.5 120,101.5 120,126.25
GND_CAN on Bottom Layer "Bottom Layer-No Net" (hatched 90Degree grid 0.2 track 0.203, pour order 4): 120,126.25 120,101.5 142,101.5 142,95 163.5,95 163.5,100.5 177.25,100.5 177.25,126.25

## Keep-outs
Keep-Out Layer:
  region: 177.804,117.221 177.804,126.969 168.504,126.969 168.504,117.221
  region: 177.802,25.428 177.802,35.171 168.502,35.171 168.502,25.428
  region: 93.407,126.989 93.407,117.212 102.707,117.212 102.707,126.989
  region: 102.692,25.426 102.692,35.174 93.392,35.174 93.392,25.426

## Other copper
Bottom Layer:
  pour cut-out: 130.163,26.2 130.163,29.4 143.987,29.4 143.987,26.2

## Silkscreen, mask and mechanical layers (free items; w line width, h text height)
Top Overlay:
  lines w0.4: 120.955,119.253 120.955,120.244 ; 127.864,119.202 127.864,120.167
  text "3" at 120.345,120.777 h1.3
  text "4" at 120.345,117.424 h1.3
  text "2" at 127.483,117.373 h1.3
  text "Status" at 107.65,112.525 h1.2 r90
  text "SUN-CAN" at 119.375,111.55 h1.2 r90
  text "Srv-CAN" at 113.275,111.375 h1.2 r90
  text "SA" at 102.52,111.348 h1.3
  text "SB" at 102.52,108.58 h1.3
  text "Gnd" at 102.489,94.64 h1.3
  text "LL" at 102.489,92.1 h1.3
  text "+5V" at 102.489,89.433 h1.3
  text "Test" at 114.097,87.224 h1.3 r90
  text "Reset" at 115.125,77.15 h1.3 r90
  text "Gnd" at 102.464,73.279 h1.3
  text "Home" at 102.464,70.815 h1.3
  text "+5V" at 102.464,68.174 h1.3
  text "Gnd" at 103.763,51.105 h1.3 r90
  text "RL" at 102.464,48.666 h1.3
  text "+5V" at 102.464,46.076 h1.3
Bottom Overlay:
  circle w0.254: c146.125,27.9 r1.2
  lines w0.254: 145.5,27.275 145.5,28.525 146.75,27.275 146.75,28.525 145.5,27.275
Bottom Solder:
  text "PS000000" at 142.625,26.975 h1.4
Drill Guide:
  text "!! To Rebuild CAN Ground Polygone !!" at 213.75,119.2 h5
Mechanical 1:
  circle w0.2: c173.181,121.996 r4.5
  circle w0.2: c173.177,30.201 r4.5
  circle w0.2: c98.044,122.199 r4.5
  circle w0.2: c98.069,30.201 r4.5
Mechanical 3:
  the board outline again, w0.2

## Text inside footprints (layer, text, board x,y; h text height)
SA3: Mechanical 1 "ON" at 127.737,101.981 h1.3
X1: Top Overlay "1" at 127.61,120.701 h1.3
XP1: Top Overlay "1" at 164.3,90.189 h1.27 r90; Top Overlay "DBF15 HD" at 176.581,70.002 h1.27 r90